# Altium PCB Mixed Signal Project.PcbDoc (part 3 of 3)
Units mm, origin at the board's own origin, x right, y up, seen from the top; angles counter-clockwise.
Board outline 70.67 x 70.79 mm, 4 copper layers (Top Layer, GND, VCC, Bottom Layer), stack 1.565 mm thick; 188 components, 144 nets, 738 pads, 426 vias.
Unrouted connection lines stored in the file: 3.
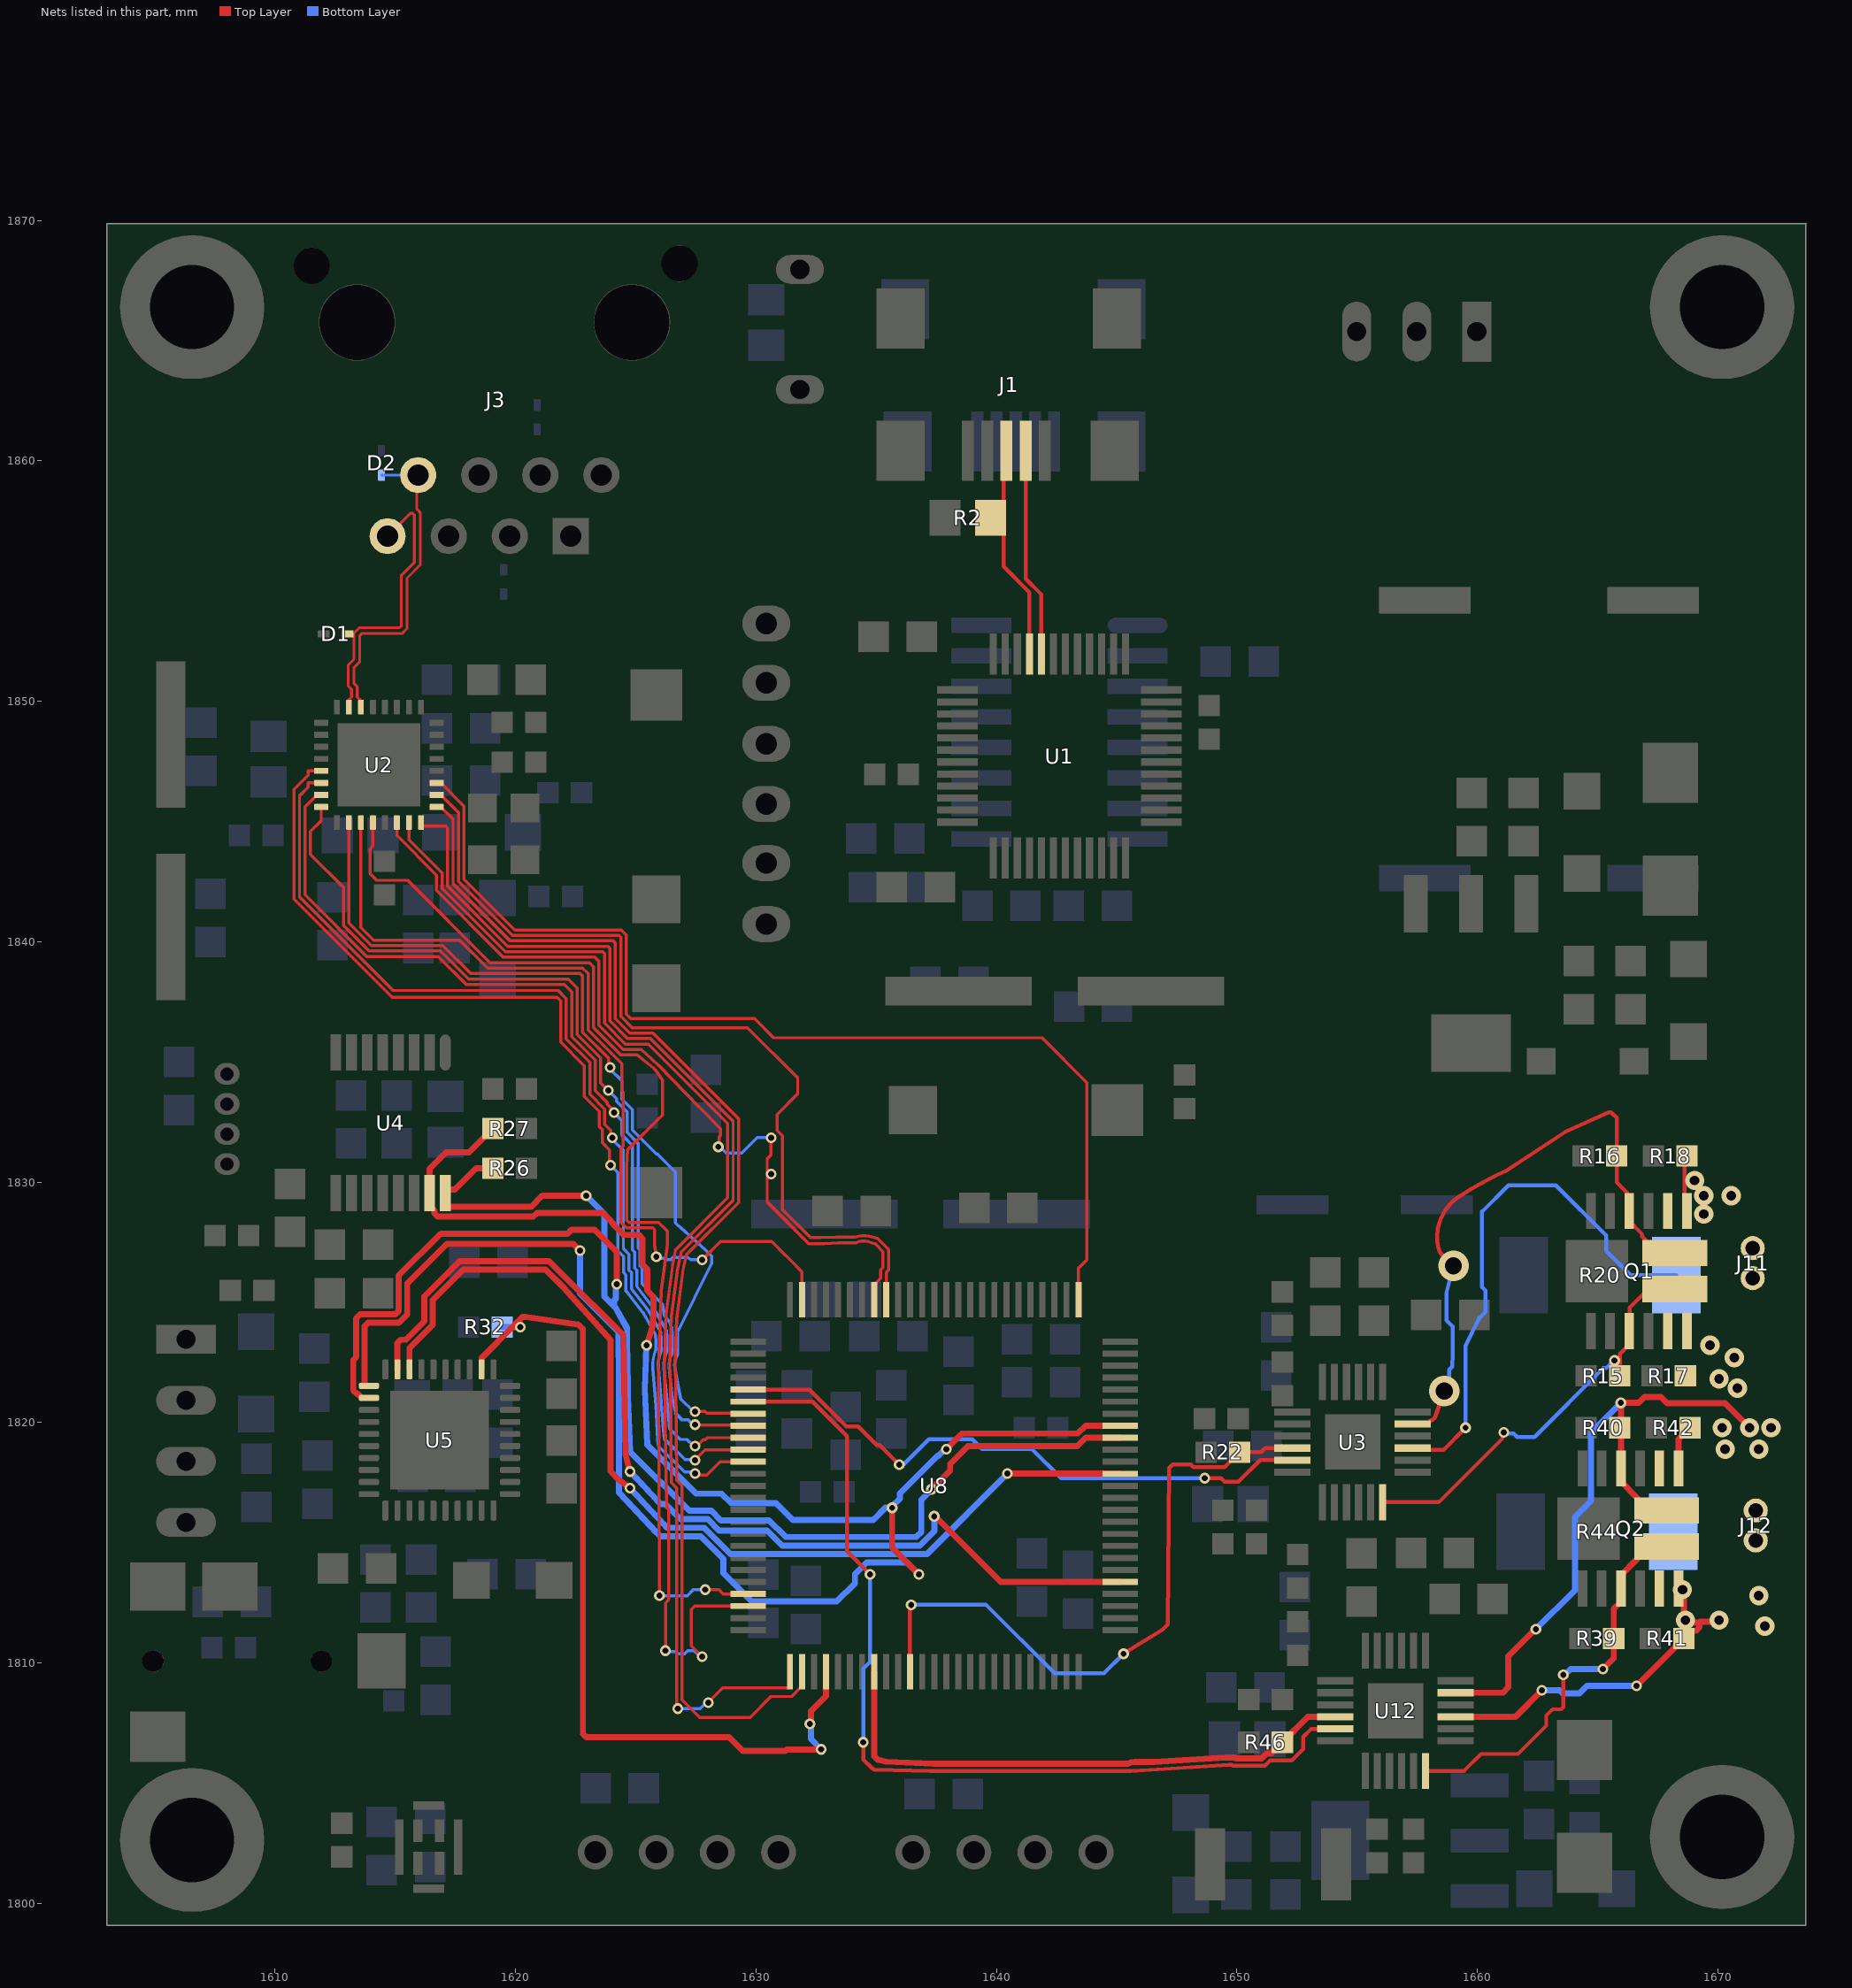
[diagram p5: the nets of this part, all layers, seen from the top]

## Via types
v1: diameter 0.45, hole 0.25, Top Layer to Bottom Layer, tented top, 150 vias
v2: diameter 0.8, hole 0.4, Top Layer to Bottom Layer, tented top, 139 vias
v3: diameter 1.27, hole 0.711, Top Layer to Bottom Layer, tented top, 129 vias
v4: diameter 0.8, hole 0.711, Top Layer to Bottom Layer, tented top, 8 vias

## Nets (pads, with @x,y where several pads share a name; then routed paths per layer and width w, separated by ;. In a path a pad name is that pad's centre, name@x,y a point inside that pad or via, vN(x,y) a via of type N, cw(c..) or ccw(c..) an arc to the next point about the centre after c; other vN are vias at no path point) (continued)
RESET_DAC: R32.2 U5.32 U8.54 | length 37.3
  Top Layer w0.254: U5.32@1618.587,1822.21 1618.587,1822.685 1619.929,1824.027 ; v1(1620.194,1823.972) 1620.156,1824.01 1619.946,1824.01 1619.929,1824.027 ; v1(1632.242,1807.463) 1632.279,1807.501 1632.279,1807.996 1632.911,1808.628 U8.54@1632.911,1809.632 ; v1(1632.712,1806.406) 1631.274,1806.406 1631.213,1806.345 1629.451,1806.345 1628.886,1806.91 1622.947,1806.91 1622.798,1807.058 1622.798,1823.893 1622.649,1824.042 1622.581,1824.074 1620.418,1824.393 1620.294,1824.393 1619.929,1824.027
  Bottom Layer w0.254: R32.2@1619.441,1823.974 1619.442,1823.972 v1(1620.194,1823.972) ; v1(1632.242,1807.463) 1632.279,1807.426 1632.279,1806.839 v1(1632.712,1806.406)
RX_CLK: U2.19 U8.24 | length 36.4
  Top Layer w0.127: U2.19@1613.567,1844.955 1613.567,1840.593 1614.093,1840.067 1617.675,1840.067 1618.843,1838.899 1622.788,1838.899 1623.014,1838.673 1623.014,1836.332 1624.421,1834.925 1624.421,1833.803 1624.482,1833.742 1624.482,1831.496 1624.388,1831.403 1624.388,1828.325 1624.617,1828.096 1625.7,1828.096 1625.774,1828.022 1625.774,1827.374 v1(1625.853,1826.895) ; v1(1627.759,1826.768) 1628.521,1827.53 1630.65,1827.53 1631.237,1826.943 1631.25,1826.943 1631.433,1826.76 1631.911,1826.269 U8.24@1631.911,1825.108
  Bottom Layer w0.127: v1(1625.853,1826.895) 1625.915,1826.833 1626.257,1826.833 1626.322,1826.768 1626.438,1826.768 1626.533,1826.862 1627.157,1826.862 1627.188,1826.842 1627.28,1826.783 v1(1627.759,1826.768)
RX_D0: U2.16 U8.33 | length 39
  Top Layer w0.127: U2.16@1611.917,1845.605 1611.917,1845.032 1611.47,1844.585 1611.47,1843.629 1612.84,1842.259 1612.84,1840.678 1613.905,1839.613 1616.879,1839.613 1618.047,1838.445 1622.186,1838.445 1622.56,1838.071 1622.56,1836.144 1623.541,1835.163 1623.541,1834.125 v1(1623.854,1833.812) ; v1(1627.469,1819.91) 1627.489,1819.89 1629.653,1819.89 U8.33@1629.673,1819.87
  Bottom Layer w0.127: v1(1623.854,1833.812) 1624.194,1833.472 1624.194,1833.368 1624.638,1832.923 1624.638,1832.067 1625.092,1831.613 1625.092,1827.268 1625.174,1827.185 1625.174,1826.521 1625.273,1826.423 1625.273,1825.759 1626.112,1824.919 1626.179,1824.469 1626.402,1824.188 1626.492,1823.967 1626.498,1823.931 1626.516,1823.655 1626.516,1822.884 ccw(c1627.413,1822.387) 1626.392,1822.287 1626.519,1821.005 1626.653,1820.381 1626.911,1820.123 1627.168,1820.123 1627.381,1819.91 v1(1627.469,1819.91)
RX_D1: U2.15 U8.34 | length 40.7
  Top Layer w0.127: U2.15@1611.917,1846.105 1611.742,1846.105 1611.243,1845.606 1611.243,1841.954 1613.811,1839.386 1616.785,1839.386 1617.953,1838.218 1622.024,1838.218 1622.333,1837.909 1622.333,1836.05 1623.314,1835.069 1623.314,1833.803 1623.82,1833.297 1623.82,1833.241 1624.093,1832.967 v1(1624.093,1832.893) ; v1(1627.469,1819.024) 1627.545,1819.024 1627.801,1819.28 1627.891,1819.28 1627.981,1819.37 U8.34@1629.673,1819.37
  Bottom Layer w0.127: v1(1624.093,1832.893) 1624.411,1832.575 1624.411,1831.973 1624.865,1831.519 1624.865,1827.174 1624.947,1827.091 1624.947,1826.427 1625.046,1826.329 1625.046,1825.665 1625.7,1824.8 1625.743,1824.739 1626.273,1823.836 1626.289,1823.561 1626.289,1822.94 ccw(c1627.413,1822.387) 1626.165,1822.277 1626.166,1822.271 1626.29,1820.918 1626.404,1819.741 1626.848,1819.297 1627.12,1819.297 1627.393,1819.024 v1(1627.469,1819.024)
RX_D2: U2.14 U8.35 | length 42.2
  Top Layer w0.127: U2.14@1611.917,1846.605 1611.376,1846.605 1611.376,1846.426 1611.016,1846.066 1611.016,1841.86 1614.905,1837.971 1621.763,1837.971 1622.106,1837.628 1622.106,1835.956 1623.087,1834.975 1623.087,1833.652 1623.704,1833.035 1623.704,1832.4 1623.958,1832.146 1623.958,1831.91 v1(1624.02,1831.848) ; v1(1627.469,1818.429) 1627.469,1818.467 1627.872,1818.87 U8.35@1629.673,1818.87
  Bottom Layer w0.127: v1(1624.02,1831.848) 1624.02,1831.777 1624.484,1831.313 1624.484,1827.234 1624.72,1826.997 1624.72,1826.333 1624.819,1826.235 1624.819,1825.571 1625.473,1824.721 1625.515,1824.665 1626.046,1823.742 1626.062,1823.467 1626.062,1822.99 ccw(c1627.413,1822.387) 1625.939,1822.259 1626.062,1820.826 1626.14,1819.684 1626.177,1819.333 1627.053,1818.457 1627.441,1818.457 v1(1627.469,1818.429)
RX_D3: U2.13 U8.36 | length 43.5
  Top Layer w0.127: U2.13@1611.917,1847.105 1611.376,1847.105 1611.376,1846.926 1610.789,1846.339 1610.789,1841.766 1614.865,1837.69 1621.723,1837.69 1621.879,1837.534 1621.879,1835.823 1622.86,1834.842 1622.86,1833.558 1623.477,1832.941 1623.477,1832.306 1623.604,1832.179 1623.604,1831.643 1623.908,1831.34 1623.908,1830.746 v1(1623.949,1830.705) ; v1(1627.469,1817.878) 1627.531,1817.816 1627.781,1817.816 1627.783,1817.814 1627.949,1817.814 1628.505,1818.37 U8.36@1629.673,1818.37
  Bottom Layer w0.127: v1(1623.949,1830.705) 1624.257,1830.397 1624.257,1827.14 1624.493,1826.903 1624.493,1826.239 1624.592,1826.141 1624.592,1825.477 1625.287,1824.588 1625.819,1823.648 1625.835,1823.373 1625.835,1823.051 1625.792,1822.921 ccw(c1627.413,1822.387) 1625.712,1822.249 1625.835,1820.731 1625.913,1819.276 1625.95,1819.016 1627.026,1817.94 1627.407,1817.94 v1(1627.469,1817.878)
RX_DV: U2.18 U8.32 | length 38.1
  Top Layer w0.127: U2.18@1613.067,1844.955 1613.067,1840.772 1613.999,1839.84 1616.973,1839.84 1618.141,1838.672 1622.694,1838.672 1622.787,1838.579 1622.787,1836.238 1623.868,1835.157 1623.868,1834.831 v1(1623.93,1834.769) ; v1(1627.469,1820.46) 1627.471,1820.458 1627.884,1820.458 1627.948,1820.394 1629.649,1820.394 U8.32@1629.673,1820.37
  Bottom Layer w0.127: v1(1623.93,1834.769) 1623.93,1834.709 1624.421,1834.218 1624.421,1833.462 1624.865,1833.017 1624.865,1832.161 1625.854,1831.173 1625.894,1831.173 1626.651,1830.416 1626.651,1828.31 1626.725,1828.235 1626.858,1828.11 1627.92,1827.157 1628.148,1826.929 1628.148,1826.607 1626.743,1823.779 1626.743,1822.821 ccw(c1627.413,1822.387) 1626.621,1822.283 ccw(c1627.413,1822.387) 1626.623,1822.266 ccw(c1627.413,1822.387) 1626.626,1822.251 ccw(c1627.413,1822.387) 1626.629,1822.236 1626.869,1820.987 1627.395,1820.46 v1(1627.469,1820.46)
RX_ER: U2.20 U8.47 | length 46.8
  Top Layer w0.127: U2.20@1614.067,1844.955 1614.067,1843.978 1613.943,1843.854 1613.943,1842.829 1614.22,1842.553 1615.51,1842.553 1618.937,1839.126 1623.075,1839.126 1623.241,1838.96 1623.241,1836.426 1624.38,1835.286 1625.062,1835.286 1625.716,1834.759 1625.717,1834.758 cw(c1625.219,1834.134) 1625.884,1834.576 1625.885,1834.575 1626.105,1834.244 1626.105,1832.799 1624.653,1831.346 1624.615,1830.705 1624.615,1828.419 1624.711,1828.323 1625.951,1828.323 1626.314,1827.961 1626.314,1827.4 1626.054,1825.479 1626.054,1825.473 1625.951,1822.338 1625.951,1822.329 ccw(c1627.43,1822.296) 1625.951,1822.293 v1(1625.981,1812.798) ; v1(1627.886,1813.052) 1628.457,1813.052 1628.639,1812.87 U8.47@1629.673,1812.87
  Bottom Layer w0.127: v1(1625.981,1812.798) 1627.135,1812.798 1627.389,1813.052 v1(1627.886,1813.052)
SCL: R26.2 U4.16 U5.2 U8.92 | length 64.2
  Top Layer w0.254: U5.2@1613.609,1821.027 1613.463,1821.173 1613.423,1821.173 1613.25,1821.346 1613.25,1822.597 1613.365,1822.712 1613.365,1824.337 1613.537,1824.509 1615.01,1824.509 1615.143,1824.642 1615.143,1826.115 1616.884,1827.856 1622.167,1827.856 1622.322,1828.011 1623.291,1828.011 1624.203,1827.099 v1(1624.203,1825.752) ; R26.2@1619.059,1830.578 1618.361,1830.578 1617.472,1829.689 1617.176,1829.689 1617.078,1829.591 1617.078,1829.078 1617.176,1828.98 1620.65,1828.98 1621.106,1829.435 v1(1622.933,1829.435) ; v1(1637.299,1817.228) 1638.072,1818.001 1638.072,1818.285 1638.808,1819.021 1643.362,1819.021 1643.711,1819.37 U8.92@1645.149,1819.37
  Bottom Layer w0.254: v1(1622.933,1829.435) 1623.695,1828.673 1623.695,1825.237 1624.105,1824.827 ; v1(1624.203,1825.752) 1624.165,1825.714 1624.165,1825.153 1624.105,1825.093 1624.105,1824.827 ; v1(1637.299,1817.228) 1637.299,1817.217 1636.876,1816.794 1636.876,1815.788 1636.876,1815.448 1636.669,1815.241 1636.329,1815.241 1631.235,1815.241 1630.543,1815.933 1628.539,1815.933 1628.139,1816.333 1627.221,1816.333 1624.765,1818.789 1624.667,1821.087 1624.657,1822.862 1624.64,1822.878 1624.64,1823.914 1624.176,1824.756 1624.105,1824.827
SCLK: U5.38 U8.89 | length 42
  Top Layer w0.254: U5.38@1615.587,1822.21 1615.587,1823.083 1616.559,1824.055 1616.559,1825.093 1617.826,1826.36 1621.248,1826.36 1622.01,1825.598 1622.015,1825.593 1623.949,1823.44 1623.949,1817.981 1624.014,1817.909 1624.132,1817.778 1624.174,1817.733 1624.252,1817.655 v1(1624.755,1817.276) ; v1(1640.459,1817.878) 1644.456,1817.878 1644.464,1817.87 U8.89@1645.149,1817.87
  Bottom Layer w0.254: v1(1624.755,1817.276) 1626.159,1815.774 1626.307,1815.625 1627.846,1815.625 1628.938,1814.533 1637.114,1814.533 v1(1640.459,1817.878)
SDA: R27.2 U4.15 U5.1 U8.93 | length 89.8
  Top Layer w0.254: U5.1@1613.902,1821.525 1613.721,1821.525 1613.719,1821.527 1613.719,1824.006 1613.868,1824.155 1615.157,1824.155 1615.497,1824.495 1615.497,1825.784 1617.135,1827.422 1622.406,1827.422 v1(1622.679,1827.149) ; R27.2@1619.059,1832.229 1618.061,1831.231 1617.109,1831.231 1616.428,1830.55 U4.15@1616.428,1829.541 1616.428,1829.016 1616.626,1828.818 1616.626,1828.697 1616.759,1828.564 1620.736,1828.564 1620.89,1828.719 1623.634,1828.719 1623.938,1828.415 1624.098,1828.208 1624.098,1828.205 1624.497,1827.806 1625.126,1827.806 1625.275,1827.657 1625.275,1826.581 1625.473,1826.383 1625.473,1825.491 1625.661,1825.303 1625.735,1825.229 1625.735,1824.725 1625.71,1824.192 1625.704,1824.081 1625.689,1823.958 v1(1625.447,1823.212) ; v1(1635.66,1816.457) 1635.66,1814.803 v1(1636.776,1813.687) ; v1(1637.919,1818.894) 1638.572,1819.547 1643.387,1819.547 1643.71,1819.87 U8.93@1645.149,1819.87
  Bottom Layer w0.254: v1(1622.679,1827.149) 1622.679,1825.375 1624.286,1823.767 1624.286,1822.732 1624.303,1822.715 1624.303,1817.089 1625.873,1815.42 1626.022,1815.271 1627.699,1815.271 1628.635,1814.335 1628.635,1813.745 1629.824,1812.555 1633.357,1812.555 1634.116,1813.314 1634.116,1813.698 1634.597,1814.179 1636.284,1814.179 v1(1636.776,1813.687) ; v1(1625.447,1823.212) 1625.375,1821.391 1625.375,1821.386 1625.375,1821.376 1625.473,1819.082 1627.514,1817.041 1628.566,1817.041 1628.966,1816.641 1630.836,1816.641 1631.528,1815.949 1634.877,1815.949 1635.385,1816.457 v1(1635.66,1816.457) 1635.66,1816.51 1635.987,1816.837 1635.987,1817.056 1637.544,1818.613 1637.585,1818.613 1637.866,1818.894 v1(1637.919,1818.894)
SDIN: U5.39 U8.80 | length 43.2
  Top Layer w0.254: U5.39@1615.087,1822.21 1615.087,1823.298 1615.236,1823.447 1615.45,1823.447 1616.205,1824.202 1616.205,1825.247 1617.672,1826.714 1621.394,1826.714 1621.874,1826.234 1624.475,1823.633 1624.477,1823.531 1624.57,1818.69 v1(1624.755,1817.965) ; v1(1637.411,1816.1) 1637.452,1816.1 1640.182,1813.37 U8.80@1645.149,1813.37
  Bottom Layer w0.254: v1(1624.755,1817.965) 1625.888,1816.766 1626.037,1816.617 1626.226,1816.617 1626.864,1815.979 1627.992,1815.979 1628.462,1815.509 1630.466,1815.509 1631.088,1814.887 1636.815,1814.887 1637.411,1815.483 v1(1637.411,1816.1)
SH1: J11.1 Q1.3 Q1.13 R15.2 U3.18 | length 17.6
  Top Layer w0.166: U3.18@1656.056,1816.684 1658.39,1816.684 1661.043,1819.336 1661.043,1819.537 v1(1661.097,1819.592) ; v1(1665.703,1822.577) v1@1665.923,1822.577 ; R15.2@1665.923,1821.942 v1@1665.923,1822.577 ; Q1.3@1666.221,1824.014 1666.338,1824.131 1666.338,1824.781 1667.321,1825.764 Q1.13@1668.121,1825.764 ; Q1.3@1666.316,1823.8 1666.316,1823.25 1665.923,1822.857 v1@1665.923,1822.577
  Bottom Layer w0.166: v1(1661.097,1819.592) 1661.152,1819.537 1661.518,1819.537 1661.653,1819.402 1662.373,1819.402 1665.232,1822.261 1665.349,1822.261 1665.665,1822.577 v1(1665.703,1822.577)
SH1_2: J12.1 Q2.3 Q2.13 R39.2 U12.18 | length 16.8
  Top Layer w0.152: U12.18@1657.842,1805.508 1659.449,1805.508 1660.151,1806.21 1661.684,1806.21 1662.87,1807.396 1662.87,1807.818 1663.129,1808.077 1663.484,1808.077 1663.573,1808.166 v1(1663.573,1809.503)
  Top Layer w0.254: v1(1665.224,1809.75) 1665.669,1810.195 1665.669,1812.244 1665.967,1812.542 Q2.3@1665.967,1813.092 1665.967,1813.642 1666.644,1814.319 1666.644,1814.419 1667.067,1814.842 Q2.13@1667.867,1814.842
  Bottom Layer w0.254: v1(1663.573,1809.503) 1663.626,1809.503 1663.873,1809.75 v1(1665.224,1809.75)
SH2: J11.2 Q1.10 Q1.14 R16.2 U3.23 | length 25.6
  Top Layer w0.166: U3.23@1657.306,1819.938 1657.906,1819.938 1658.025,1820.057 1658.073,1820.105 1658.132,1820.105 1658.239,1820.212 v3(1658.62,1821.307) ; v3(1659.001,1826.514) 1658.462,1827.053 1658.434,1827.081 cw(c1660.34,1827.719) 1659.238,1829.4 cw(c1666.839,1817.81) 1661.171,1830.458 1663.66,1832.091 1663.672,1832.096 1665.463,1832.902 1665.567,1832.902 1665.616,1832.853 1665.796,1832.673 R16.2@1665.796,1831.086 1665.796,1829.989 1666.221,1829.564 1666.221,1828.464 1666.854,1827.831 1666.854,1827.731 1667.321,1827.264 Q1.14@1668.121,1827.264
  Bottom Layer w0.166: v3(1658.62,1821.307) 1658.823,1821.51 1658.823,1822.19 1658.953,1822.319 1658.964,1822.868 ccw(c1658.798,1822.871) 1658.964,1822.871 1658.964,1823.999 1658.707,1824.256 1658.707,1825.317 1658.707,1825.384 v3(1659.001,1826.514)
SH2_2: J12.2 Q2.10 Q2.14 R40.2 U12.23 | length 27.9
  Top Layer w0.254: U12.23@1659.092,1808.762 1661.061,1808.762 1661.287,1808.988 1661.287,1810.288 1662.4,1811.401 v1(1662.43,1811.401) ; Q2.14@1667.867,1816.342 1667.067,1816.342 1666.644,1816.765 1666.644,1816.865 1665.967,1817.542 Q2.10@1665.967,1818.092 v1(1665.967,1820.818) 1666.706,1820.818 1666.946,1821.058 1667.632,1821.058 1667.891,1820.799 1670.304,1820.799 v2(1671.32,1819.783) v2@1671.32,1819.679
  Bottom Layer w0.254: v1(1662.43,1811.401) 1664.054,1813.025 1664.054,1816.073 1664.716,1816.735 1664.716,1819.567 v1(1665.967,1820.818)
  other v2: 1671.701,1818.894 1672.209,1819.783
SNSOUT: R22.2 U3.10 U8.61 | length 27.4
  Top Layer w0.166: U8.61@1636.411,1809.632 1636.403,1809.64 1636.403,1812.371 v1(1636.449,1812.417) ; v1(1645.285,1810.385) 1646.893,1811.374 1647.131,1811.613 1647.18,1818.114 1647.325,1818.259 1648.075,1818.259 1648.194,1818.14 1649.484,1818.14 R22.2@1650.111,1818.767 1651.004,1818.767 1651.175,1818.938 U3.10@1652.306,1818.938
  Bottom Layer w0.166: v1(1636.449,1812.417) 1639.57,1812.417 1642.408,1809.579 1644.479,1809.579 v1(1645.285,1810.385)
SNSOUT_2: R46.2 U8.58 U12.10 | length 23.5
  Top Layer w0.254: U8.58@1634.911,1809.632 1634.911,1806.128 1635.06,1805.979 1635.413,1805.894 1637.37,1805.811 1643.928,1805.811 1645.469,1805.811 1645.626,1805.875 1645.727,1805.88 1646.565,1805.88 1649.528,1806.068 1649.916,1806.068 1649.953,1806.031 1651.031,1806.031 1651.25,1806.25 1651.437,1806.25 R46.2@1651.889,1806.702 1652.949,1807.762 U12.10@1654.092,1807.762
SO: U3.11 U8.30 | length 25.4
  Top Layer w0.166: U8.30@1629.673,1821.37 1632.22,1821.37 1633.755,1819.835 1634.248,1819.835 1635.016,1819.068 1635.137,1819.068 v1(1635.959,1818.246) ; v1(1648.663,1817.683) 1649.337,1817.683 1649.475,1817.545 1650.072,1817.545 1650.964,1818.438 U3.11@1652.306,1818.438
  Bottom Layer w0.166: v1@1635.971,1818.259 1636.141,1818.259 1637.184,1819.302 1638.995,1819.302 1639.394,1818.904 1641.465,1818.904 1642.686,1817.683 v1(1648.663,1817.683)
SO_2: U8.31 U12.11 | length 39.4
  Top Layer w0.166: U8.31@1629.673,1820.87 1632.345,1820.87 1633.78,1819.435 1633.78,1814.651 v1(1634.744,1813.687) ; v1(1634.459,1806.702) 1634.459,1805.984 1634.831,1805.612 1634.931,1805.564 1637.242,1805.501 1644.057,1805.501 1645.597,1805.501 1646.698,1805.571 1649.654,1805.758 1649.788,1805.758 1649.825,1805.721 1651.159,1805.721 1651.378,1805.94 1652.274,1805.94 1652.751,1806.417 1652.751,1806.92 1653.094,1807.262 U12.11@1654.092,1807.262
  Bottom Layer w0.166: v1(1634.459,1806.702) 1634.459,1809.756 1634.744,1810.041 v1(1634.744,1813.687)
SP: Q1.5 Q1.6 Q1.7 Q1.8 R17.2 R18.1 R20.1 U3.21 | length 24.5
  Top Layer w0.166: U3.21@1657.306,1818.938 1657.373,1818.871 1658.587,1818.871 1658.603,1818.887 1658.613,1818.887 1659.506,1819.78 v1(1659.506,1819.786) ; Q1.7@1668.621,1829.014 1668.621,1830.991 R18.1@1668.716,1831.086
  Bottom Layer w0.166: v1(1659.506,1819.786) 1659.509,1819.789 1659.509,1823.159 1659.509,1823.197 1659.526,1823.232 1660.053,1824.299 cw(c1660.202,1824.225) 1660.085,1824.342 1660.342,1824.6 1660.342,1825.492 1660.196,1825.638 1660.196,1828.774 1661.294,1829.872 1663.263,1829.872 1665.351,1827.784 1665.351,1827.149 1666.367,1826.133 R20.1@1668.272,1826.133
  other v2: 1670.812,1821.434 1670.05,1821.815 1670.685,1822.704 1669.669,1823.212 1669.415,1828.673 1669.415,1829.435 1670.558,1829.435 1669.034,1830.07
SP_1: Q2.7 Q2.8 R42.1 R44.1 | length 1.9
  Top Layer w0.254: Q2.7@1668.367,1818.092 1668.367,1819.307 R42.1@1668.843,1819.783
  other v2: 1670.304,1818.894 1670.177,1819.783
SP_2: Q2.5 Q2.6 R41.2 U12.21 | length 14.9
  Top Layer w0.254: U12.21@1659.092,1807.762 1661.585,1807.762 v1(1662.684,1808.861) ; v1(1666.621,1809.051) 1668.907,1811.337 1669.077,1811.337 1669.225,1811.485 1669.225,1811.655 ; Q2.6@1668.367,1813.092 1668.407,1813.052 v2(1668.526,1813.052) ; v2@1668.701,1813.026 1668.59,1812.914 1668.59,1811.845 1668.757,1811.678 1669.215,1811.678 1669.225,1811.668 1669.269,1811.712 1669.98,1811.712 v2(1670.05,1811.782)
  Bottom Layer w0.254: v1(1662.684,1808.861) 1663.425,1808.861 1663.552,1808.734 1664.24,1808.734 1664.557,1809.051 v1(1666.621,1809.051)
  other v2: 1671.955,1811.528 1668.653,1811.782 1671.701,1812.798
TD_N: D2.K J3.2 U2.6 | length 13.4
  Top Layer w0.116: U2.6@1613.547,1849.869 1613.547,1850.044 1613.418,1850.173 1613.418,1850.598 1613.281,1850.736 1613.281,1851.406 1613.521,1851.646 1613.521,1852.732 1613.603,1852.814 1615.275,1852.814 1615.485,1853.024 1615.485,1855.121 1616.035,1855.671 1616.035,1857.85 1615.896,1857.989 1615.896,1859.355 J3.2@1615.948,1859.407
  Bottom Layer w0.116: D2.K@1614.424,1859.41 1614.427,1859.407 J3.2@1615.948,1859.407
TD_P: D1.K J3.1 U2.7 | length 11.7
  Top Layer w0.116: U2.7@1613.047,1849.768 1613.047,1849.869 1613.047,1850.044 1613.176,1850.173 1613.176,1850.498 1613.038,1850.635 1613.038,1851.507 1613.278,1851.747 1613.278,1852.833 1613.502,1853.057 1615.174,1853.057 1615.242,1853.125 1615.242,1855.222 1615.792,1855.772 1615.792,1857.749 1615.724,1857.817 1615.628,1857.817 J3.1@1614.678,1856.867
TX_CLK: U2.22 U8.18 | length 35.1
  Top Layer w0.127: U2.22@1615.067,1844.955 1615.067,1844.413 1616.71,1842.77 1616.71,1842.134 1619.491,1839.353 1623.302,1839.353 1623.468,1839.187 1623.468,1836.52 1624.475,1835.513 1625.237,1835.513 1625.913,1834.889 cw(c1625.219,1834.134) 1625.955,1834.848 1627.631,1833.119 1627.633,1833.117 1628.521,1832.229 1628.521,1831.937 1628.467,1831.883 1628.467,1831.503 v1(1628.431,1831.467) ; v1(1630.624,1830.335) v1@1630.462,1830.335 ; v1(1630.624,1831.848) 1630.624,1831.129 1630.462,1830.967 v1@1630.462,1830.335 ; U8.18@1634.911,1825.108 1634.911,1825.719 1635.188,1825.996 1635.188,1826.345 1635.281,1826.437 1635.281,1827.107 1634.974,1827.413 1634.957,1827.43 1634.798,1827.482 ccw(c1634.482,1826.749) 1634.166,1827.482 1634.085,1827.482 1633.451,1827.482 ccw(c1633.451,1827.355) 1633.441,1827.482 1632.823,1827.43 1632.209,1827.43 1630.462,1829.176 v1@1630.462,1830.335